# Altium PCB touch-2ch-v4.PcbDoc (part 7 of 8) (continued)
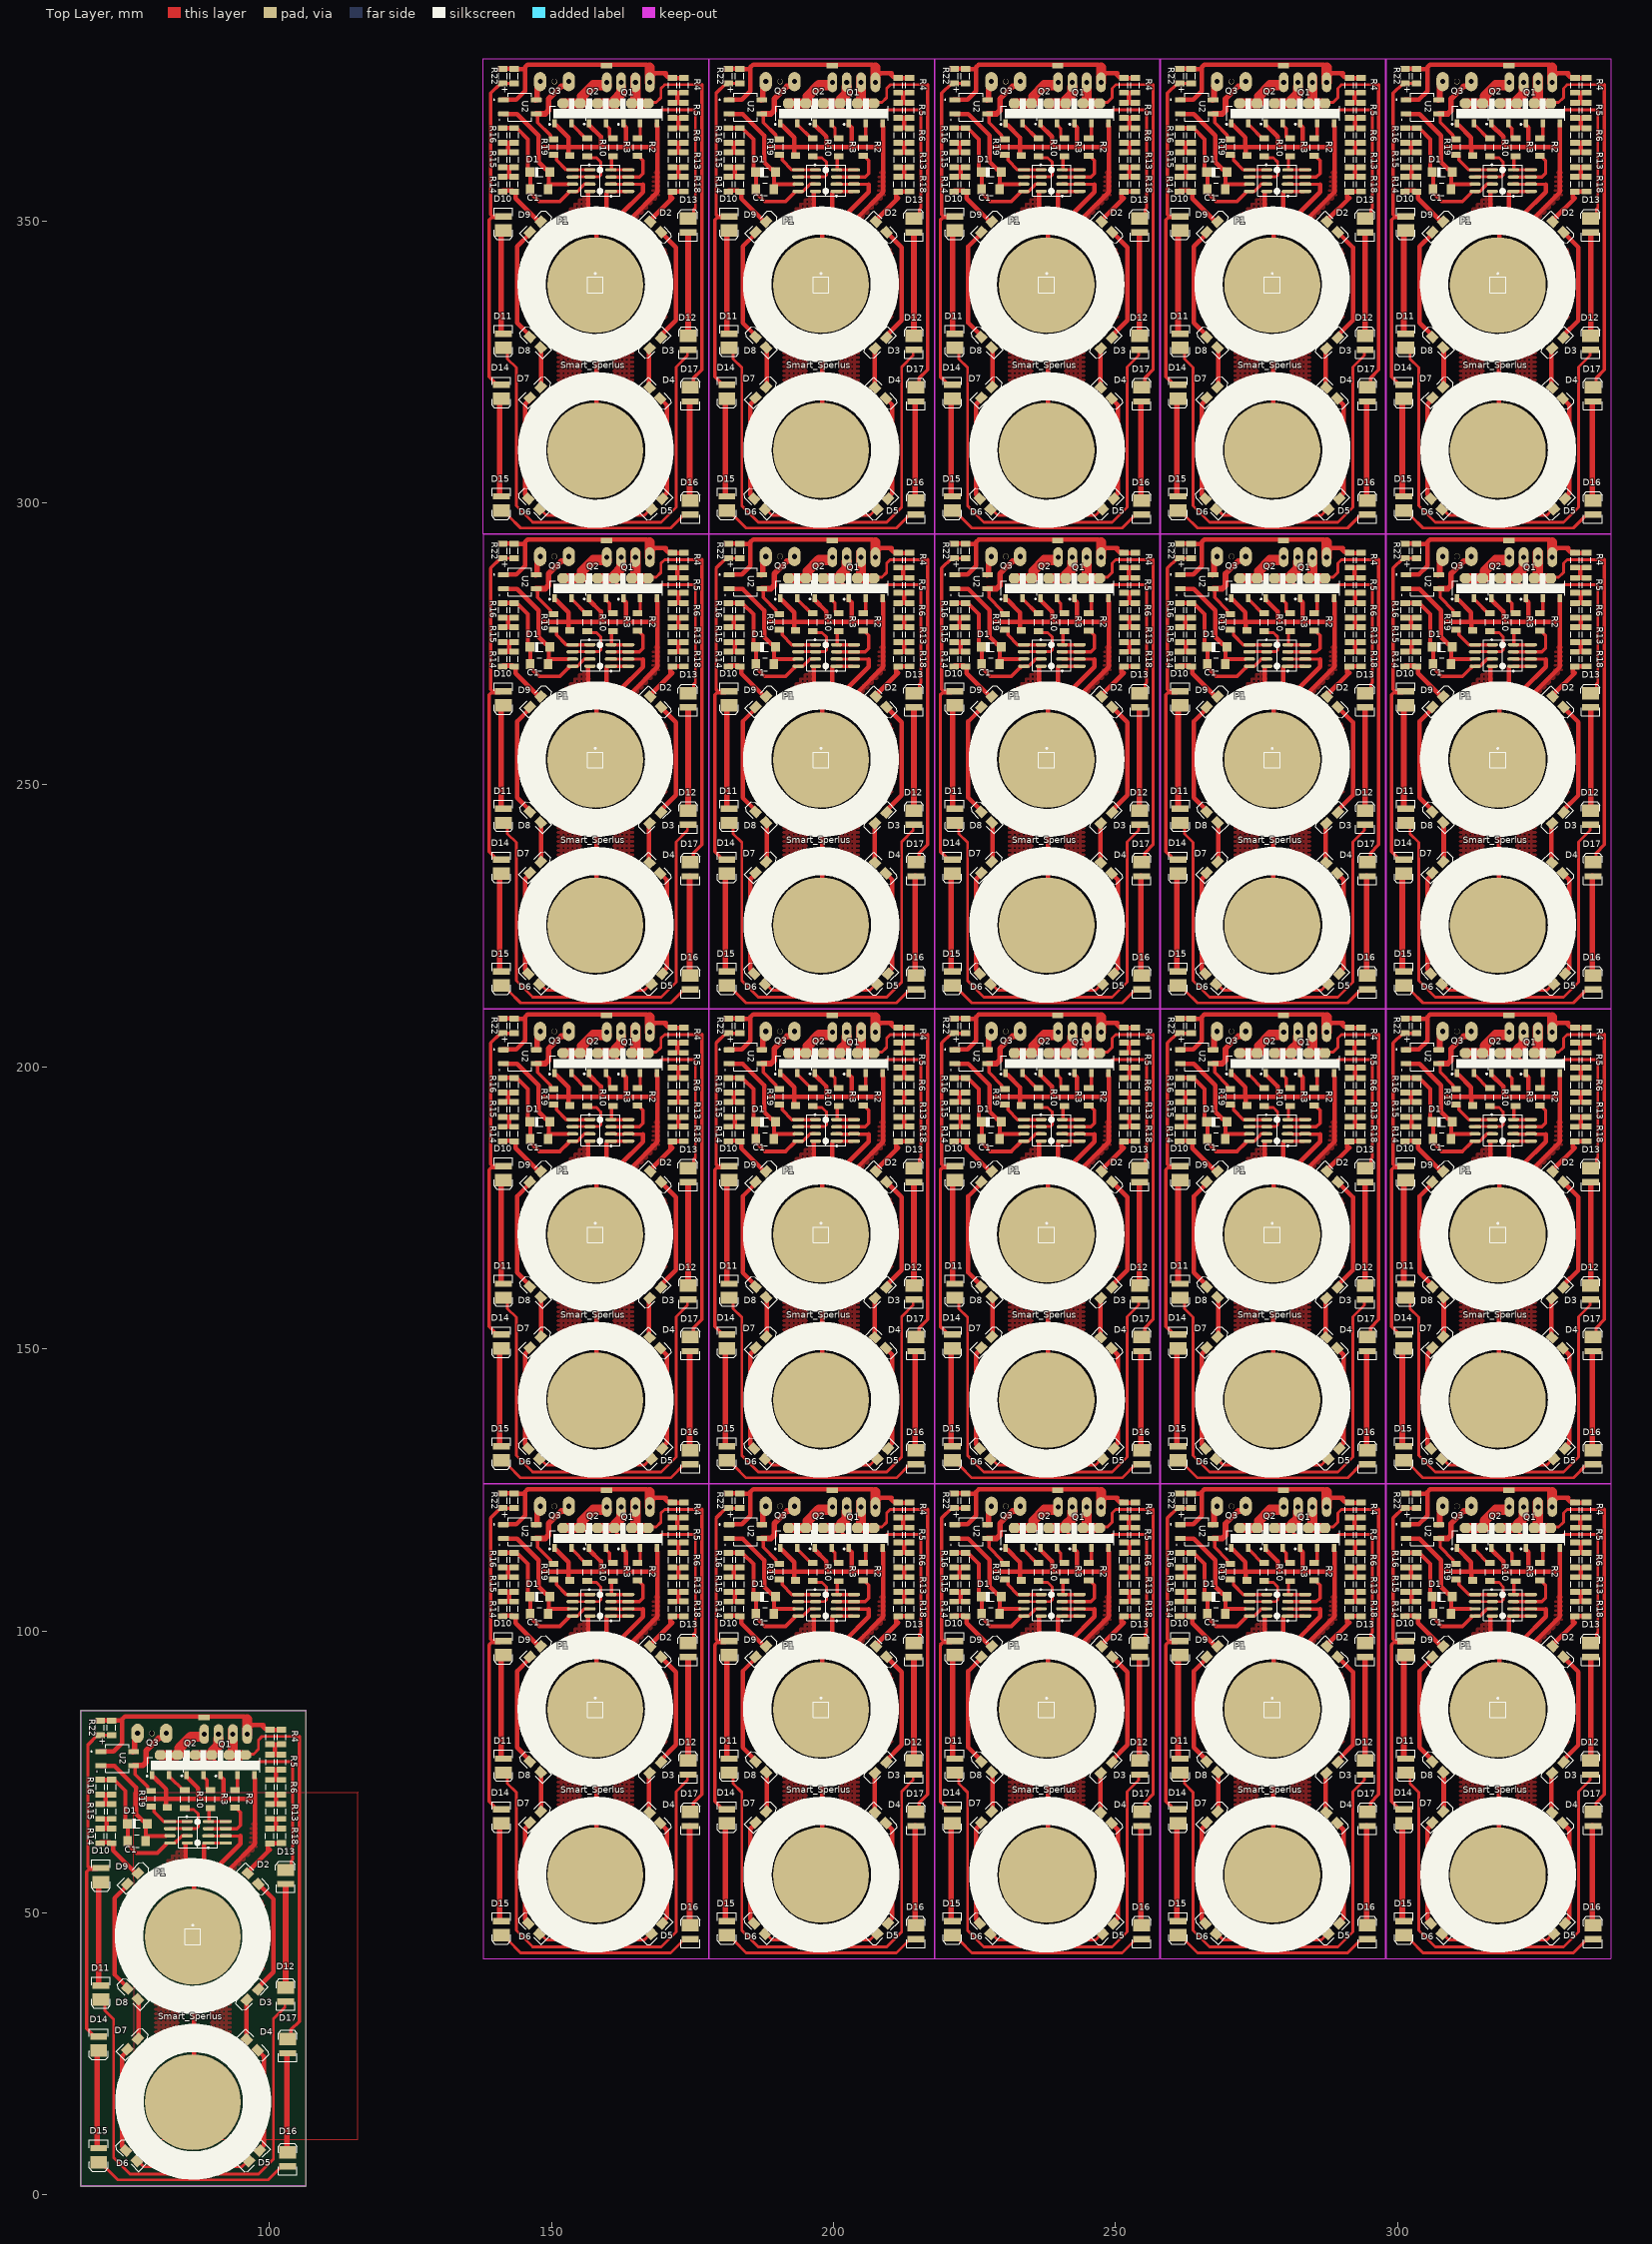
[diagram p0: Top Layer view]
## Nets (pads, with @x,y where several pads share a name; then routed paths per layer and width w, separated by ;. In a path a pad name is that pad's centre, name@x,y a point inside that pad or via, vN(x,y) a via of type N, cw(c..) or ccw(c..) an arc to the next point about the centre after c; other vN are vias at no path point) (continued)
252.488,111.244 ; 252.488,113.84 252.488,115.689 ; 252.488,189.404 252.488,189.467 ; 252.488,189.467 252.488,191.126 ; 252.488,193.722 252.488,195.444 ; 252.488,198.04 252.488,199.889 ; 252.488,273.604 252.488,273.667 ; 252.488,273.667 252.488,275.326 ; 252.488,277.922 252.488,279.644 ; 252.488,282.24 252.488,284.089 ; 252.488,357.804 252.488,357.867 ; 252.488,357.867 252.488,359.526 ; 252.488,362.122 252.488,363.844 ; 252.488,366.44 252.488,368.289 ; 267.701,110.49 272.807,110.49 ; 267.701,194.69 272.807,194.69 ; 267.701,278.89 272.807,278.89 ; 267.701,363.09 272.807,363.09 ; 272.807,110.49 278.75,110.49 ; 272.807,194.69 278.75,194.69 ; 272.807,278.89 278.75,278.89 ; 272.807,363.09 278.75,363.09 ; 278.75,110.49 283.195,110.49 ; 278.75,194.69 283.195,194.69 ; 278.75,278.89 283.195,278.89 ; 278.75,363.09 283.195,363.09 ; 283.195,110.49 288.806,110.49 ; 283.195,194.69 288.806,194.69 ; 283.195,278.89 288.806,278.89 ; 283.195,363.09 288.806,363.09 ; 292.362,120.134 292.362,118.412 292.489,118.285 ; 292.362,204.334 292.362,202.612 292.489,202.485 ; 292.362,288.534 292.362,286.812 292.489,286.685 ; 292.362,372.734 292.362,371.012 292.489,370.885 ; 292.425,105.204 292.489,105.204 ; 292.425,105.204 292.489,105.267 ; 292.425,189.404 292.489,189.404 ; 292.425,189.404 292.489,189.467 ; 292.425,273.604 292.489,273.604 ; 292.425,273.604 292.489,273.667 ; 292.425,357.804 292.489,357.804 ; 292.425,357.804 292.489,357.867 ; 292.489,105.204 292.489,105.267 ; 292.489,105.267 292.489,106.926 ; 292.489,109.522 292.489,111.244 ; 292.489,113.84 292.489,115.689 ; 292.489,189.404 292.489,189.467 ; 292.489,189.467 292.489,191.126 ; 292.489,193.722 292.489,195.444 ; 292.489,198.04 292.489,199.889 ; 292.489,273.604 292.489,273.667 ; 292.489,273.667 292.489,275.326 ; 292.489,277.922 292.489,279.644 ; 292.489,282.24 292.489,284.089 ; 292.489,357.804 292.489,357.867 ; 292.489,357.867 292.489,359.526 ; 292.489,362.122 292.489,363.844 ; 292.489,366.44 292.489,368.289 ; 307.701,110.49 312.806,110.49 ; 307.701,194.69 312.806,194.69 ; 307.701,278.89 312.806,278.89 ; 307.701,363.09 312.806,363.09 ; 312.806,110.49 318.75,110.49 ; 312.806,194.69 318.75,194.69 ; 312.806,278.89 318.75,278.89 ; 312.806,363.09 318.75,363.09 ; 318.75,110.49 323.195,110.49 ; 318.75,194.69 323.195,194.69 ; 318.75,278.89 323.195,278.89 ; 318.75,363.09 323.195,363.09 ; 323.195,110.49 328.805,110.49 ; 323.195,194.69 328.805,194.69 ; 323.195,278.89 328.805,278.89 ; 323.195,363.09 328.805,363.09 ; 332.361,120.134 332.361,118.412 332.488,118.285 ; 332.361,204.334 332.361,202.612 332.488,202.485 ; 332.361,288.534 332.361,286.812 332.488,286.685 ; 332.361,372.734 332.361,371.012 332.488,370.885 ; 332.425,105.204 332.488,105.204 ; 332.425,105.204 332.488,105.267 ; 332.425,189.404 332.488,189.404 ; 332.425,189.404 332.488,189.467 ; 332.425,273.604 332.488,273.604 ; 332.425,273.604 332.488,273.667 ; 332.425,357.804 332.488,357.804 ; 332.425,357.804 332.488,357.867 ; 332.488,105.204 332.488,105.267 ; 332.488,105.267 332.488,106.926 ; 332.488,109.522 332.488,111.244 ; 332.488,113.84 332.488,115.689 ; 332.488,189.404 332.488,189.467 ; 332.488,189.467 332.488,191.126 ; 332.488,193.722 332.488,195.444 ; 332.488,198.04 332.488,199.889 ; 332.488,273.604 332.488,273.667 ; 332.488,273.667 332.488,275.326 ; 332.488,277.922 332.488,279.644 ; 332.488,282.24 332.488,284.089 ; 332.488,357.804 332.488,357.867 ; 332.488,357.867 332.488,359.526 ; 332.488,362.122 332.488,363.844 ; 332.488,366.44 332.488,368.289
  Top Layer w1: 141.097,65.843 140.843,65.589 140.843,48.581 140.893,48.531 141.478,48.531 ; 141.097,95.596 141.097,77.41 141.147,77.36 141.478,77.36 ; 141.097,150.043 140.843,149.789 140.843,132.781 140.893,132.731 141.478,132.731 ; 141.097,179.796 141.097,161.61 141.147,161.56 141.478,161.56 ; 141.097,234.243 140.843,233.989 140.843,216.981 140.893,216.931 141.478,216.931 ; 141.097,263.996 141.097,245.81 141.147,245.76 141.478,245.76 ; 141.097,318.443 140.843,318.189 140.843,301.181 140.893,301.131 141.478,301.131 ; 141.097,348.196 141.097,330.01 141.147,329.96 141.478,329.96 ; 145.923,65.532 146.177,65.786 146.177,66.04 ; 145.923,149.732 146.177,149.986 146.177,150.24 ; 145.923,233.932 146.177,234.186 146.177,234.44 ; 145.923,318.132 146.177,318.386 146.177,318.64 ; 147.195,118.849 147.24,118.894 147.47,118.894 147.47,121.399 148,121.929 148,122.854 ; 147.195,203.049 147.24,203.094 147.47,203.094 147.47,205.599 148,206.129 148,207.054 ; 147.195,287.249 147.24,287.294 147.47,287.294 147.47,289.799 148,290.329 148,291.254 ; 147.195,371.449 147.24,371.494 147.47,371.494 147.47,373.999 148,374.529 148,375.454 ; 147.299,116.377 147.419,116.377 147.828,116.377 148.916,116.377 149.502,116.963 149.502,119.022 151.742,121.262 152.526,121.262 153.08,121.817 153.08,122.092 153.08,122.579 ; 147.299,200.577 147.419,200.577 147.828,200.577 148.916,200.577 149.502,201.163 149.502,203.222 151.742,205.462 152.526,205.462 153.08,206.017 153.08,206.292 153.08,206.779 ; 147.299,284.777 147.419,284.777 147.828,284.777 148.916,284.777 149.502,285.363 149.502,287.422 151.742,289.662 152.526,289.662 153.08,290.217 153.08,290.492 153.08,290.979 ; 147.299,368.977 147.419,368.977 147.828,368.977 148.916,368.977 149.502,369.563 149.502,371.621 151.742,373.862 152.526,373.862 153.08,374.417 153.08,374.692 153.08,375.179 ; 174.244,77.032 174.244,95.36 ; 174.244,161.232 174.244,179.56 ; 174.244,245.432 174.244,263.76 ; 174.244,329.632 174.244,347.96 ; 174.498,47.822 174.498,65.388 ; 174.498,132.022 174.498,149.588 ; 174.498,216.222 174.498,233.788 ; 174.498,300.422 174.498,317.988 ; 181.097,65.843 180.843,65.589 180.843,48.581 180.893,48.531 181.478,48.531 ; 181.097,95.596 181.097,77.41 181.147,77.36 181.478,77.36 ; 181.097,150.043 180.843,149.789 180.843,132.781 180.893,132.731 181.478,132.731 ; 181.097,179.796 181.097,161.61 181.147,161.56 181.478,161.56 ; 181.097,234.243 180.843,233.989 180.843,216.981 180.893,216.931 181.478,216.931 ; 181.097,263.996 181.097,245.81 181.147,245.76 181.478,245.76 ; 181.097,318.443 180.843,318.189 180.843,301.181 180.893,301.131 181.478,301.131 ; 181.097,348.196 181.097,330.01 181.147,329.96 181.478,329.96 ; 185.923,65.532 186.177,65.786 186.177,66.04 ; 185.923,149.732 186.177,149.986 186.177,150.24 ; 185.923,233.932 186.177,234.186 186.177,234.44 ; 185.923,318.132 186.177,318.386 186.177,318.64 ; 187.194,118.849 187.24,118.894 187.47,118.894 187.47,121.399 188,121.929 188,122.854 ; 187.194,203.049 187.24,203.094 187.47,203.094 187.47,205.599 188,206.129 188,207.054 ; 187.194,287.249 187.24,287.294 187.47,287.294 187.47,289.799 188,290.329 188,291.254 ; 187.194,371.449 187.24,371.494 187.47,371.494 187.47,373.999 188,374.529 188,375.454 ; 187.299,116.377 187.419,116.377 187.828,116.377 188.916,116.377 189.502,116.963 189.502,119.022 191.742,121.262 192.526,121.262 193.08,121.817 193.08,122.092 193.08,122.579 ; 187.299,200.577 187.419,200.577 187.828,200.577 188.916,200.577 189.502,201.163 189.502,203.222 191.742,205.462 192.526,205.462 193.08,206.017 193.08,206.292 193.08,206.779 ; 187.299,284.777 187.419,284.777 187.828,284.777 188.916,284.777 189.502,285.363 189.502,287.422 191.742,289.662 192.526,289.662 193.08,290.217 193.08,290.492 193.08,290.979 ; 187.299,368.977 187.419,368.977 187.828,368.977 188.916,368.977 189.502,369.563 189.502,371.621 191.742,373.862 192.526,373.862 193.08,374.417 193.08,374.692 193.08,375.179 ; 214.244,77.032 214.244,95.36 ; 214.244,161.232 214.244,179.56 ; 214.244,245.432 214.244,263.76 ; 214.244,329.632 214.244,347.96 ; 214.498,47.822 214.498,65.388 ; 214.498,132.022 214.498,149.588 ; 214.498,216.222 214.498,233.788 ; 214.498,300.422 214.498,317.988 ; 221.097,65.843 220.843,65.589 220.843,48.581 220.893,48.531 221.478,48.531 ; 221.097,95.596 221.097,77.41 221.147,77.36 221.478,77.36 ; 221.097,150.043 220.843,149.789 220.843,132.781 220.893,132.731 221.478,132.731 ; 221.097,179.796 221.097,161.61 221.147,161.56 221.478,161.56 ; 221.097,234.243 220.843,233.989 220.843,216.981 220.893,216.931 221.478,216.931 ; 221.097,263.996 221.097,245.81 221.147,245.76 221.478,245.76 ; 221.097,318.443 220.843,318.189 220.843,301.181 220.893,301.131 221.478,301.131 ; 221.097,348.196 221.097,330.01 221.147,329.96 221.478,329.96 ; 225.923,65.532 226.177,65.786 226.177,66.04 ; 225.923,149.732 226.177,149.986 226.177,150.24 ; 225.923,233.932 226.177,234.186 226.177,234.44 ; 225.923,318.132 226.177,318.386 226.177,318.64 ; 227.194,118.849 227.239,118.894 227.469,118.894 227.469,121.399 228,121.929 228,122.854 ; 227.194,203.049 227.239,203.094 227.469,203.094 227.469,205.599 228,206.129 228,207.054 ; 227.194,287.249 227.239,287.294 227.469,287.294 227.469,289.799 228,290.329 228,291.254 ; 227.194,371.449 227.239,371.494 227.469,371.494 227.469,373.999 228,374.529 228,375.454 ; 227.299,116.377 227.419,116.377 227.828,116.377 228.916,116.377 229.501,116.963 229.501,119.022 231.742,121.262 232.526,121.262 233.08,121.817 233.08,122.092 233.08,122.579 ; 227.299,200.577 227.419,200.577 227.828,200.577 228.916,200.577 229.501,201.163 229.501,203.222 231.742,205.462 232.526,205.462 233.08,206.017 233.08,206.292 233.08,206.779 ; 227.299,284.777 227.419,284.777 227.828,284.777 228.916,284.777 229.501,285.363 229.501,287.422 231.742,289.662 232.526,289.662 233.08,290.217 233.08,290.492 233.08,290.979 ; 227.299,368.977 227.419,368.977 227.828,368.977 228.916,368.977 229.501,369.563 229.501,371.621 231.742,373.862 232.526,373.862 233.08,374.417 233.08,374.692 233.08,375.179 ; 254.244,77.032 254.244,95.36 ; 254.244,161.232 254.244,179.56 ; 254.244,245.432 254.244,263.76 ; 254.244,329.632 254.244,347.96 ; 254.498,47.822 254.498,65.388 ; 254.498,132.022 254.498,149.588 ; 254.498,216.222 254.498,233.788 ; 254.498,300.422 254.498,317.988 ; 261.097,65.843 260.843,65.589 260.843,48.581 260.893,48.531 261.478,48.531 ; 261.097,95.596 261.097,77.41 261.147,77.36 261.478,77.36 ; 261.097,150.043 260.843,149.789 260.843,132.781 260.893,132.731 261.478,132.731 ; 261.097,179.796 261.097,161.61 261.147,161.56 261.478,161.56 ; 261.097,234.243 260.843,233.989 260.843,216.981 260.893,216.931 261.478,216.931 ; 261.097,263.996 261.097,245.81 261.147,245.76 261.478,245.76 ; 261.097,318.443 260.843,318.189 260.843,301.181 260.893,301.131 261.478,301.131 ; 261.097,348.196 261.097,330.01 261.147,329.96 261.478,329.96 ; 265.923,65.532 266.177,65.786 266.177,66.04 ; 265.923,149.732 266.177,149.986 266.177,150.24 ; 265.923,233.932 266.177,234.186 266.177,234.44 ; 265.923,318.132 266.177,318.386 266.177,318.64 ; 267.195,118.849 267.24,118.894 267.47,118.894 267.47,121.399 268,121.929 268,122.854 ; 267.195,203.049 267.24,203.094 267.47,203.094 267.47,205.599 268,206.129 268,207.054 ; 267.195,287.249 267.24,287.294 267.47,287.294 267.47,289.799 268,290.329 268,291.254 ; 267.195,371.449 267.24,371.494 267.47,371.494 267.47,373.999 268,374.529 268,375.454 ; 267.299,116.377 267.419,116.377 267.828,116.377 268.916,116.377 269.502,116.963 269.502,119.022 271.742,121.262 272.526,121.262 273.08,121.817 273.08,122.092 273.08,122.579 ; 267.299,200.577 267.419,200.577 267.828,200.577 268.916,200.577 269.502,201.163 269.502,203.222 271.742,205.462 272.526,205.462 273.08,206.017 273.08,206.292 273.08,206.779 ; 267.299,284.777 267.419,284.777 267.828,284.777 268.916,284.777 269.502,285.363 269.502,287.422 271.742,289.662 272.526,289.662 273.08,290.217 273.08,290.492 273.08,290.979 ; 267.299,368.977 267.419,368.977 267.828,368.977 268.916,368.977 269.502,369.563 269.502,371.621 271.742,373.862 272.526,373.862 273.08,374.417 273.08,374.692 273.08,375.179 ; 294.244,77.032 294.244,95.36 ; 294.244,161.232 294.244,179.56 ; 294.244,245.432 294.244,263.76 ; 294.244,329.632 294.244,347.96 ; 294.498,47.822 294.498,65.388 ; 294.498,132.022 294.498,149.588 ; 294.498,216.222 294.498,233.788 ; 294.498,300.422 294.498,317.988 ; 301.097,65.843 300.843,65.589 300.843,48.581 300.893,48.531 301.478,48.531 ; 301.097,95.596 301.097,77.41 301.147,77.36 301.478,77.36 ; 301.097,150.043 300.843,149.789 300.843,132.781 300.893,132.731 301.478,132.731 ; 301.097,179.796 301.097,161.61 301.147,161.56 301.478,161.56 ; 301.097,234.243 300.843,233.989 300.843,216.981 300.893,216.931 301.478,216.931 ; 301.097,263.996 301.097,245.81 301.147,245.76 301.478,245.76 ; 301.097,318.443 300.843,318.189 300.843,301.181 300.893,301.131 301.478,301.131 ; 301.097,348.196 301.097,330.01 301.147,329.96 301.478,329.96 ; 305.923,65.532 306.177,65.786 306.177,66.04 ; 305.923,149.732 306.177,149.986 306.177,150.24 ; 305.923,233.932 306.177,234.186 306.177,234.44 ; 305.923,318.132 306.177,318.386 306.177,318.64 ; 307.194,118.849 307.239,118.894 307.469,118.894 307.469,121.399 308,121.929 308,122.854 ; 307.194,203.049 307.239,203.094 307.469,203.094 307.469,205.599 308,206.129 308,207.054 ; 307.194,287.249 307.239,287.294 307.469,287.294 307.469,289.799 308,290.329 308,291.254 ; 307.194,371.449 307.239,371.494 307.469,371.494 307.469,373.999 308,374.529 308,375.454 ; 307.299,116.377 307.419,116.377 307.828,116.377 308.916,116.377 309.501,116.963 309.501,119.022 311.742,121.262 312.526,121.262 313.08,121.817 313.08,122.092 313.08,122.579 ; 307.299,200.577 307.419,200.577 307.828,200.577 308.916,200.577 309.501,201.163 309.501,203.222 311.742,205.462 312.526,205.462 313.08,206.017 313.08,206.292 313.08,206.779 ; 307.299,284.777 307.419,284.777 307.828,284.777 308.916,284.777 309.501,285.363 309.501,287.422 311.742,289.662 312.526,289.662 313.08,290.217 313.08,290.492 313.08,290.979 ; 307.299,368.977 307.419,368.977 307.828,368.977 308.916,368.977 309.501,369.563 309.501,371.621 311.742,373.862 312.526,373.862 313.08,374.417 313.08,374.692 313.08,375.179 ; 334.244,77.032 334.244,95.36 ; 334.244,161.232 334.244,179.56 ; 334.244,245.432 334.244,263.76 ; 334.244,329.632 334.244,347.96 ; 334.498,47.822 334.498,65.388 ; 334.498,132.022 334.498,149.588 ; 334.498,216.222 334.498,233.788 ; 334.498,300.422 334.498,317.988
  Top Layer w1.8: 152.042,118.237 155.067,118.237 155.117,118.287 155.167,118.287 ; 152.042,202.437 155.067,202.437 155.117,202.487 155.167,202.487 ; 152.042,286.637 155.067,286.637 155.117,286.687 155.167,286.687 ; 152.042,370.837 155.067,370.837 155.117,370.887 155.167,370.887 ; 155.421,118.287 155.421,119.48 157.409,121.468 159.761,121.468 ; 155.421,202.487 155.421,203.68 157.409,205.668 159.761,205.668 ; 155.421,286.687 155.421,287.88 157.409,289.868 159.761,289.868 ; 155.421,370.887 155.421,372.08 157.409,374.068 159.761,374.068 ; 158.162,118.237 161.163,118.237 161.213,118.287 161.218,118.287 161.218,118.8 162.351,119.933 162.351,121.115 ; 158.162,202.437 161.163,202.437 161.213,202.487 161.218,202.487 161.218,203 162.351,204.133 162.351,205.315 ; 158.162,286.637 161.163,286.637 161.213,286.687 161.218,286.687 161.218,287.2 162.351,288.333 162.351,289.515 ; 158.162,370.837 161.163,370.837 161.213,370.887 161.218,370.887 161.218,371.4 162.351,372.533 162.351,373.715 ; 164.637,118.64 164.234,118.237 166.399,118.237 ; 164.637,202.84 164.234,202.437 166.399,202.437 ; 164.637,287.04 164.234,286.637 166.399,286.637 ; 164.637,371.24 164.234,370.837 166.399,370.837 ; 164.891,118.64 164.891,121.965 164.891,122.727 ; 164.891,202.84 164.891,206.165 164.891,206.927 ; 164.891,287.04 164.891,290.365 164.891,291.127 ; 164.891,371.24 164.891,374.565 164.891,375.327 ; 167.431,121.965 167.431,123.19 167.431,124.587 ; 167.431,206.165 167.431,207.39 167.431,208.787 ; 167.431,290.365 167.431,291.59 167.431,292.987 ; 167.431,374.565 167.431,375.79 167.431,377.187 ; 192.042,118.237 195.067,118.237 195.117,118.287 195.167,118.287 ; 192.042,202.437 195.067,202.437 195.117,202.487 195.167,202.487 ; 192.042,286.637 195.067,286.637 195.117,286.687 195.167,286.687 ; 192.042,370.837 195.067,370.837 195.117,370.887 195.167,370.887 ; 195.421,118.287 195.421,119.48 197.409,121.468 199.761,121.468 ; 195.421,202.487 195.421,203.68 197.409,205.668 199.761,205.668 ; 195.421,286.687 195.421,287.88 197.409,289.868 199.761,289.868 ; 195.421,370.887 195.421,372.08 197.409,374.068 199.761,374.068 ; 198.162,118.237 201.163,118.237 201.213,118.287 201.218,118.287 201.218,118.8 202.351,119.933 202.351,121.115 ; 198.162,202.437 201.163,202.437 201.213,202.487 201.218,202.487 201.218,203 202.351,204.133 202.351,205.315 ; 198.162,286.637 201.163,286.637 201.213,286.687 201.218,286.687 201.218,287.2 202.351,288.333 202.351,289.515 ; 198.162,370.837 201.163,370.837 201.213,370.887 201.218,370.887 201.218,371.4 202.351,372.533 202.351,373.715 ; 204.637,118.64 204.234,118.237 206.399,118.237 ; 204.637,202.84 204.234,202.437 206.399,202.437 ; 204.637,287.04 204.234,286.637 206.399,286.637 ; 204.637,371.24 204.234,370.837 206.399,370.837 ; 204.891,118.64 204.891,121.965 204.891,122.727 ; 204.891,202.84 204.891,206.165 204.891,206.927 ; 204.891,287.04 204.891,290.365 204.891,291.127 ; 204.891,371.24 204.891,374.565 204.891,375.327 ; 207.431,121.965 207.431,123.19 207.431,124.587 ; 207.431,206.165 207.431,207.39 207.431,208.787 ; 207.431,290.365 207.431,291.59 207.431,292.987 ; 207.431,374.565 207.431,375.79 207.431,377.187 ; 232.042,118.237 235.067,118.237 235.117,118.287 235.167,118.287 ; 232.042,202.437 235.067,202.437 235.117,202.487 235.167,202.487 ; 232.042,286.637 235.067,286.637 235.117,286.687 235.167,286.687 ; 232.042,370.837 235.067,370.837 235.117,370.887 235.167,370.887 ; 235.421,118.287 235.421,119.48 237.409,121.468 239.761,121.468 ; 235.421,202.487 235.421,203.68 237.409,205.668 239.761,205.668 ; 235.421,286.687 235.421,287.88 237.409,289.868 239.761,289.868 ; 235.421,370.887 235.421,372.08 237.409,374.068 239.761,374.068 ; 238.162,118.237 241.163,118.237 241.213,118.287 241.218,118.287 241.218,118.8 242.351,119.933 242.351,121.115 ; 238.162,202.437 241.163,202.437 241.213,202.487 241.218,202.487 241.218,203 242.351,204.133 242.351,205.315 ; 238.162,286.637 241.163,286.637 241.213,286.687 241.218,286.687 241.218,287.2 242.351,288.333 242.351,289.515 ; 238.162,370.837 241.163,370.837 241.213,370.887 241.218,370.887 241.218,371.4 242.351,372.533 242.351,373.715 ; 244.637,118.64 244.234,118.237 246.399,118.237 ; 244.637,202.84 244.234,202.437 246.399,202.437 ; 244.637,287.04 244.234,286.637 246.399,286.637 ; 244.637,371.24 244.234,370.837 246.399,370.837 ; 244.891,118.64 244.891,121.965 244.891,122.727 ; 244.891,202.84 244.891,206.165 244.891,206.927 ; 244.891,287.04 244.891,290.365 244.891,291.127 ; 244.891,371.24 244.891,374.565 244.891,375.327 ; 247.431,121.965 247.431,123.19 247.431,124.587 ; 247.431,206.165 247.431,207.39 247.431,208.787 ; 247.431,290.365 247.431,291.59 247.431,292.987 ; 247.431,374.565 247.431,375.79 247.431,377.187 ; 272.042,118.237 275.067,118.237 275.117,118.287 275.167,118.287 ; 272.042,202.437 275.067,202.437 275.117,202.487 275.167,202.487 ; 272.042,286.637 275.067,286.637 275.117,286.687 275.167,286.687 ; 272.042,370.837 275.067,370.837 275.117,370.887 275.167,370.887 ; 275.421,118.287 275.421,119.48 277.409,121.468 279.761,121.468 ; 275.421,202.487 275.421,203.68 277.409,205.668 279.761,205.668 ; 275.421,286.687 275.421,287.88 277.409,289.868 279.761,289.868 ; 275.421,370.887 275.421,372.08 277.409,374.068 279.761,374.068 ; 278.162,118.237 281.163,118.237 281.213,118.287 281.218,118.287 281.218,118.8 282.351,119.933 282.351,121.115 ; 278.162,202.437 281.163,202.437 281.213,202.487 281.218,202.487 281.218,203 282.351,204.133 282.351,205.315 ; 278.162,286.637 281.163,286.637 281.213,286.687 281.218,286.687 281.218,287.2 282.351,288.333 282.351,289.515 ; 278.162,370.837 281.163,370.837 281.213,370.887 281.218,370.887 281.218,371.4 282.351,372.533 282.351,373.715 ; 284.637,118.64 284.234,118.237 286.399,118.237 ; 284.637,202.84 284.234,202.437 286.399,202.437 ; 284.637,287.04 284.234,286.637 286.399,286.637 ; 284.637,371.24 284.234,370.837 286.399,370.837 ; 284.891,118.64 284.891,121.965 284.891,122.727 ; 284.891,202.84 284.891,206.165 284.891,206.927 ; 284.891,287.04 284.891,290.365 284.891,291.127 ; 284.891,371.24 284.891,374.565 284.891,375.327 ; 287.431,121.965 287.431,123.19 287.431,124.587 ; 287.431,206.165 287.431,207.39 287.431,208.787 ; 287.431,290.365 287.431,291.59 287.431,292.987 ; 287.431,374.565 287.431,375.79 287.431,377.187 ; 312.042,118.237 315.067,118.237 315.117,118.287 315.167,118.287 ; 312.042,202.437 315.067,202.437 315.117,202.487 315.167,202.487 ; 312.042,286.637 315.067,286.637 315.117,286.687 315.167,286.687 ; 312.042,370.837 315.067,370.837 315.117,370.887 315.167,370.887 ; 315.421,118.287 315.421,119.48 317.409,121.468 319.761,121.468 ; 315.421,202.487 315.421,203.68 317.409,205.668 319.761,205.668 ; 315.421,286.687 315.421,287.88 317.409,289.868 319.761,289.868 ; 315.421,370.887 315.421,372.08 317.409,374.068 319.761,374.068 ; 318.162,118.237 321.163,118.237 321.213,118.287 321.218,118.287 321.218,118.8 322.351,119.933 322.351,121.115 ; 318.162,202.437 321.163,202.437 321.213,202.487 321.218,202.487 321.218,203 322.351,204.133 322.351,205.315 ; 318.162,286.637 321.163,286.637 321.213,286.687 321.218,286.687 321.218,287.2 322.351,288.333 322.351,289.515 ; 318.162,370.837 321.163,370.837 321.213,370.887 321.218,370.887 321.218,371.4 322.351,372.533 322.351,373.715 ; 324.637,118.64 324.234,118.237 326.399,118.237 ; 324.637,202.84 324.234,202.437 326.399,202.437 ; 324.637,287.04 324.234,286.637 326.399,286.637 ; 324.637,371.24 324.234,370.837 326.399,370.837 ; 324.891,118.64 324.891,121.965 324.891,122.727 ; 324.891,202.84 324.891,206.165 324.891,206.927 ; 324.891,287.04 324.891,290.365 324.891,291.127 ; 324.891,371.24 324.891,374.565 324.891,375.327 ; 327.431,121.965 327.431,123.19 327.431,124.587 ; 327.431,206.165 327.431,207.39 327.431,208.787 ; 327.431,290.365 327.431,291.59 327.431,292.987 ; 327.431,374.565 327.431,375.79 327.431,377.187

## Polygon pours and split planes (outlines as drawn)
no net on Top Layer "NONET_L-01_P-001" (hatched 90Degree grid 0.8 track 0.5, pour order 103): 328.043,358.25 328.043,355.492 323.852,351.301 323.852,346.983 326.773,344.062 326.773,334.664 321.058,328.949 321.058,320.567 328.043,313.582 328.043,304.184 323.195,299.336 312.654,299.336 307.723,304.266 307.723,314.09 315.216,321.583 315.216,325.901 307.469,333.648 307.469,342.919 316.779,352.229 316.418,355.28 305.542,344.212 305.542,332.737 311.13,327.149 311.13,320.545 305.542,314.957 305.542,301.241 308.336,298.447 325.862,298.447 329.926,302.511 329.926,314.83 324.465,320.291 324.465,326.768 330.942,333.245 330.942,344.212 326.265,348.888 326.265,351.682 329.059,354.476 329.059,359.429 329.186,359.556
no net on Top Layer "NONET_L-01_P-001" (hatched 90Degree grid 0.8 track 0.5, pour order 102): 288.044,358.25 288.044,355.492 283.853,351.301 283.853,346.983 286.774,344.062 286.774,334.664 281.059,328.949 281.059,320.567 288.044,313.582 288.044,304.184 283.195,299.336 272.654,299.336 267.724,304.266 267.723,314.09 275.217,321.583 275.217,325.901 267.47,333.648 267.47,342.919 276.779,352.229 276.418,355.28 265.542,344.212 265.542,332.737 271.13,327.149 271.13,320.545 265.542,314.957 265.542,301.241 268.336,298.447 285.862,298.447 289.926,302.511 289.926,314.83 284.465,320.291 284.465,326.768 290.942,333.245 290.942,344.212 286.266,348.888 286.266,351.682 289.06,354.476 289.06,359.429 289.187,359.556
no net on Top Layer "NONET_L-01_P-001" (hatched 90Degree grid 0.8 track 0.5, pour order 101): 248.043,358.25 248.043,355.492 243.852,351.301 243.852,346.983 246.773,344.062 246.773,334.664 241.058,328.949 241.058,320.567 248.043,313.582 248.043,304.184 243.195,299.336 232.654,299.336 227.723,304.266 227.723,314.09 235.216,321.583 235.216,325.901 227.469,333.648 227.469,342.919 236.779,352.229 236.418,355.28 225.542,344.212 225.542,332.737 231.13,327.149 231.13,320.545 225.542,314.957 225.542,301.241 228.336,298.447 245.862,298.447 249.926,302.511 249.926,314.83 244.465,320.291 244.465,326.768 250.942,333.245 250.942,344.212 246.265,348.888 246.265,351.682 249.059,354.476 249.059,359.429 249.186,359.556
no net on Top Layer "NONET_L-01_P-001" (hatched 90Degree grid 0.8 track 0.5, pour order 100): 208.044,358.25 208.044,355.492 203.853,351.301 203.853,346.983 206.774,344.062 206.774,334.664 201.059,328.949 201.059,320.567 208.044,313.582 208.044,304.184 203.195,299.336 192.654,299.336 187.723,304.266 187.723,314.09 195.216,321.583 195.216,325.901 187.47,333.648 187.47,342.919 196.779,352.229 196.418,355.28 185.542,344.212 185.542,332.737 191.13,327.149 191.13,320.545 185.542,314.957 185.542,301.241 188.336,298.447 205.862,298.447 209.926,302.511 209.926,314.83 204.465,320.291 204.465,326.768 210.942,333.245 210.942,344.212 206.265,348.888 206.265,351.682 209.06,354.476 209.06,359.429 209.187,359.556
no net on Top Layer "NONET_L-01_P-001" (hatched 90Degree grid 0.8 track 0.5, pour order 99): 168.044,358.25 168.044,355.492 163.853,351.301 163.853,346.983 166.774,344.062 166.774,334.664 161.059,328.949 161.059,320.567 168.044,313.582 168.044,304.184 163.195,299.336 152.654,299.336 147.723,304.266 147.723,314.09 155.216,321.583 155.216,325.901 147.47,333.648 147.47,342.919 156.779,352.229 156.418,355.28 145.542,344.212 145.542,332.737 151.13,327.149 151.13,320.545 145.542,314.957 145.542,301.241 148.336,298.447 165.862,298.447 169.926,302.511 169.926,314.83 164.465,320.291 164.465,326.768 170.942,333.245 170.942,344.212 166.265,348.888 166.265,351.682 169.06,354.476 169.06,359.429 169.187,359.556
no net on Top Layer "NONET_L-01_P-001" (hatched 90Degree grid 0.8 track 0.5, pour order 98): 328.043,274.05 328.043,271.292 323.852,267.101 323.852,262.783 326.773,259.862 326.773,250.465 321.058,244.75 321.058,236.368 328.043,229.382 328.043,219.984 323.195,215.136 312.654,215.136 307.723,220.066 307.723,229.89 315.216,237.383 315.216,241.701 307.469,249.448 307.469,258.719 316.779,268.029 316.418,271.08 305.542,260.012 305.542,248.537 311.13,242.949 311.13,236.345 305.542,230.757 305.542,217.041 308.336,214.247 325.862,214.247 329.926,218.311 329.926,230.63 324.465,236.091 324.465,242.568 330.942,249.045 330.942,260.012 326.265,264.688 326.265,267.483 329.059,270.276 329.059,275.229 329.186,275.356
no net on Top Layer "NONET_L-01_P-001" (hatched 90Degree grid 0.8 track 0.5, pour order 97): 288.044,274.05 288.044,271.292 283.853,267.101 283.853,262.783 286.774,259.862 286.774,250.465 281.059,244.75 281.059,236.368 288.044,229.382 288.044,219.984 283.195,215.136 272.654,215.136 267.724,220.066 267.723,229.89 275.217,237.383 275.217,241.701 267.47,249.448 267.47,258.719 276.779,268.029 276.418,271.08 265.542,260.012 265.542,248.537 271.13,242.949 271.13,236.345 265.542,230.757 265.542,217.041 268.336,214.247 285.862,214.247 289.926,218.311 289.926,230.63 284.465,236.091 284.465,242.568 290.942,249.045 290.942,260.012 286.266,264.688 286.266,267.483 289.06,270.276 289.06,275.229 289.187,275.356
no net on Top Layer "NONET_L-01_P-001" (hatched 90Degree grid 0.8 track 0.5, pour order 96): 248.043,274.05 248.043,271.292 243.852,267.101 243.852,262.783 246.773,259.862 246.773,250.465 241.058,244.75 241.058,236.368 248.043,229.382 248.043,219.984 243.195,215.136 232.654,215.136 227.723,220.066 227.723,229.89 235.216,237.383 235.216,241.701 227.469,249.448 227.469,258.719 236.779,268.029 236.418,271.08 225.542,260.012 225.542,248.537 231.13,242.949 231.13,236.345 225.542,230.757 225.542,217.041 228.336,214.247 245.862,214.247 249.926,218.311 249.926,230.63 244.465,236.091 244.465,242.568 250.942,249.045 250.942,260.012 246.265,264.688 246.265,267.483 249.059,270.276 249.059,275.229 249.186,275.356
no net on Top Layer "NONET_L-01_P-001" (hatched 90Degree grid 0.8 track 0.5, pour order 95): 208.044,274.05 208.044,271.292 203.853,267.101 203.853,262.783 206.774,259.862 206.774,250.465 201.059,244.75 201.059,236.368 208.044,229.382 208.044,219.984 203.195,215.136 192.654,215.136 187.723,220.066 187.723,229.89 195.216,237.383 195.216,241.701 187.47,249.448 187.47,258.719 196.779,268.029 196.418,271.08 185.542,260.012 185.542,248.537 191.13,242.949 191.13,236.345 185.542,230.757 185.542,217.041 188.336,214.247 205.862,214.247 209.926,218.311 209.926,230.63 204.465,236.091 204.465,242.568 210.942,249.045 210.942,260.012 206.265,264.688 206.265,267.483 209.06,270.276 209.06,275.229 209.187,275.356
no net on Top Layer "NONET_L-01_P-001" (hatched 90Degree grid 0.8 track 0.5, pour order 94): 168.044,274.05 168.044,271.292 163.853,267.101 163.853,262.783 166.774,259.862 166.774,250.465 161.059,244.75 161.059,236.368 168.044,229.382 168.044,219.984 163.195,215.136 152.654,215.136 147.723,220.066 147.723,229.89 155.216,237.383 155.216,241.701 147.47,249.448 147.47,258.719 156.779,268.029 156.418,271.08 145.542,260.012 145.542,248.537 151.13,242.949 151.13,236.345 145.542,230.757 145.542,217.041 148.336,214.247 165.862,214.247 169.926,218.311 169.926,230.63 164.465,236.091 164.465,242.568 170.942,249.045 170.942,260.012 166.265,264.688 166.265,267.483 169.06,270.276 169.06,275.229 169.187,275.356